# Altium PCB STB_LightBoard.PcbDoc (part 2 of 31)
Units mm, origin at the board's own origin, x right, y up, seen from the top; angles counter-clockwise.
Board outline 348 x 348 mm, 2 copper layers (Top Layer, Bottom Layer), stack 1.672 mm thick; 3807 components, 3391 nets, 11616 pads, 2553 vias.
Unrouted connection lines stored in the file: 68.
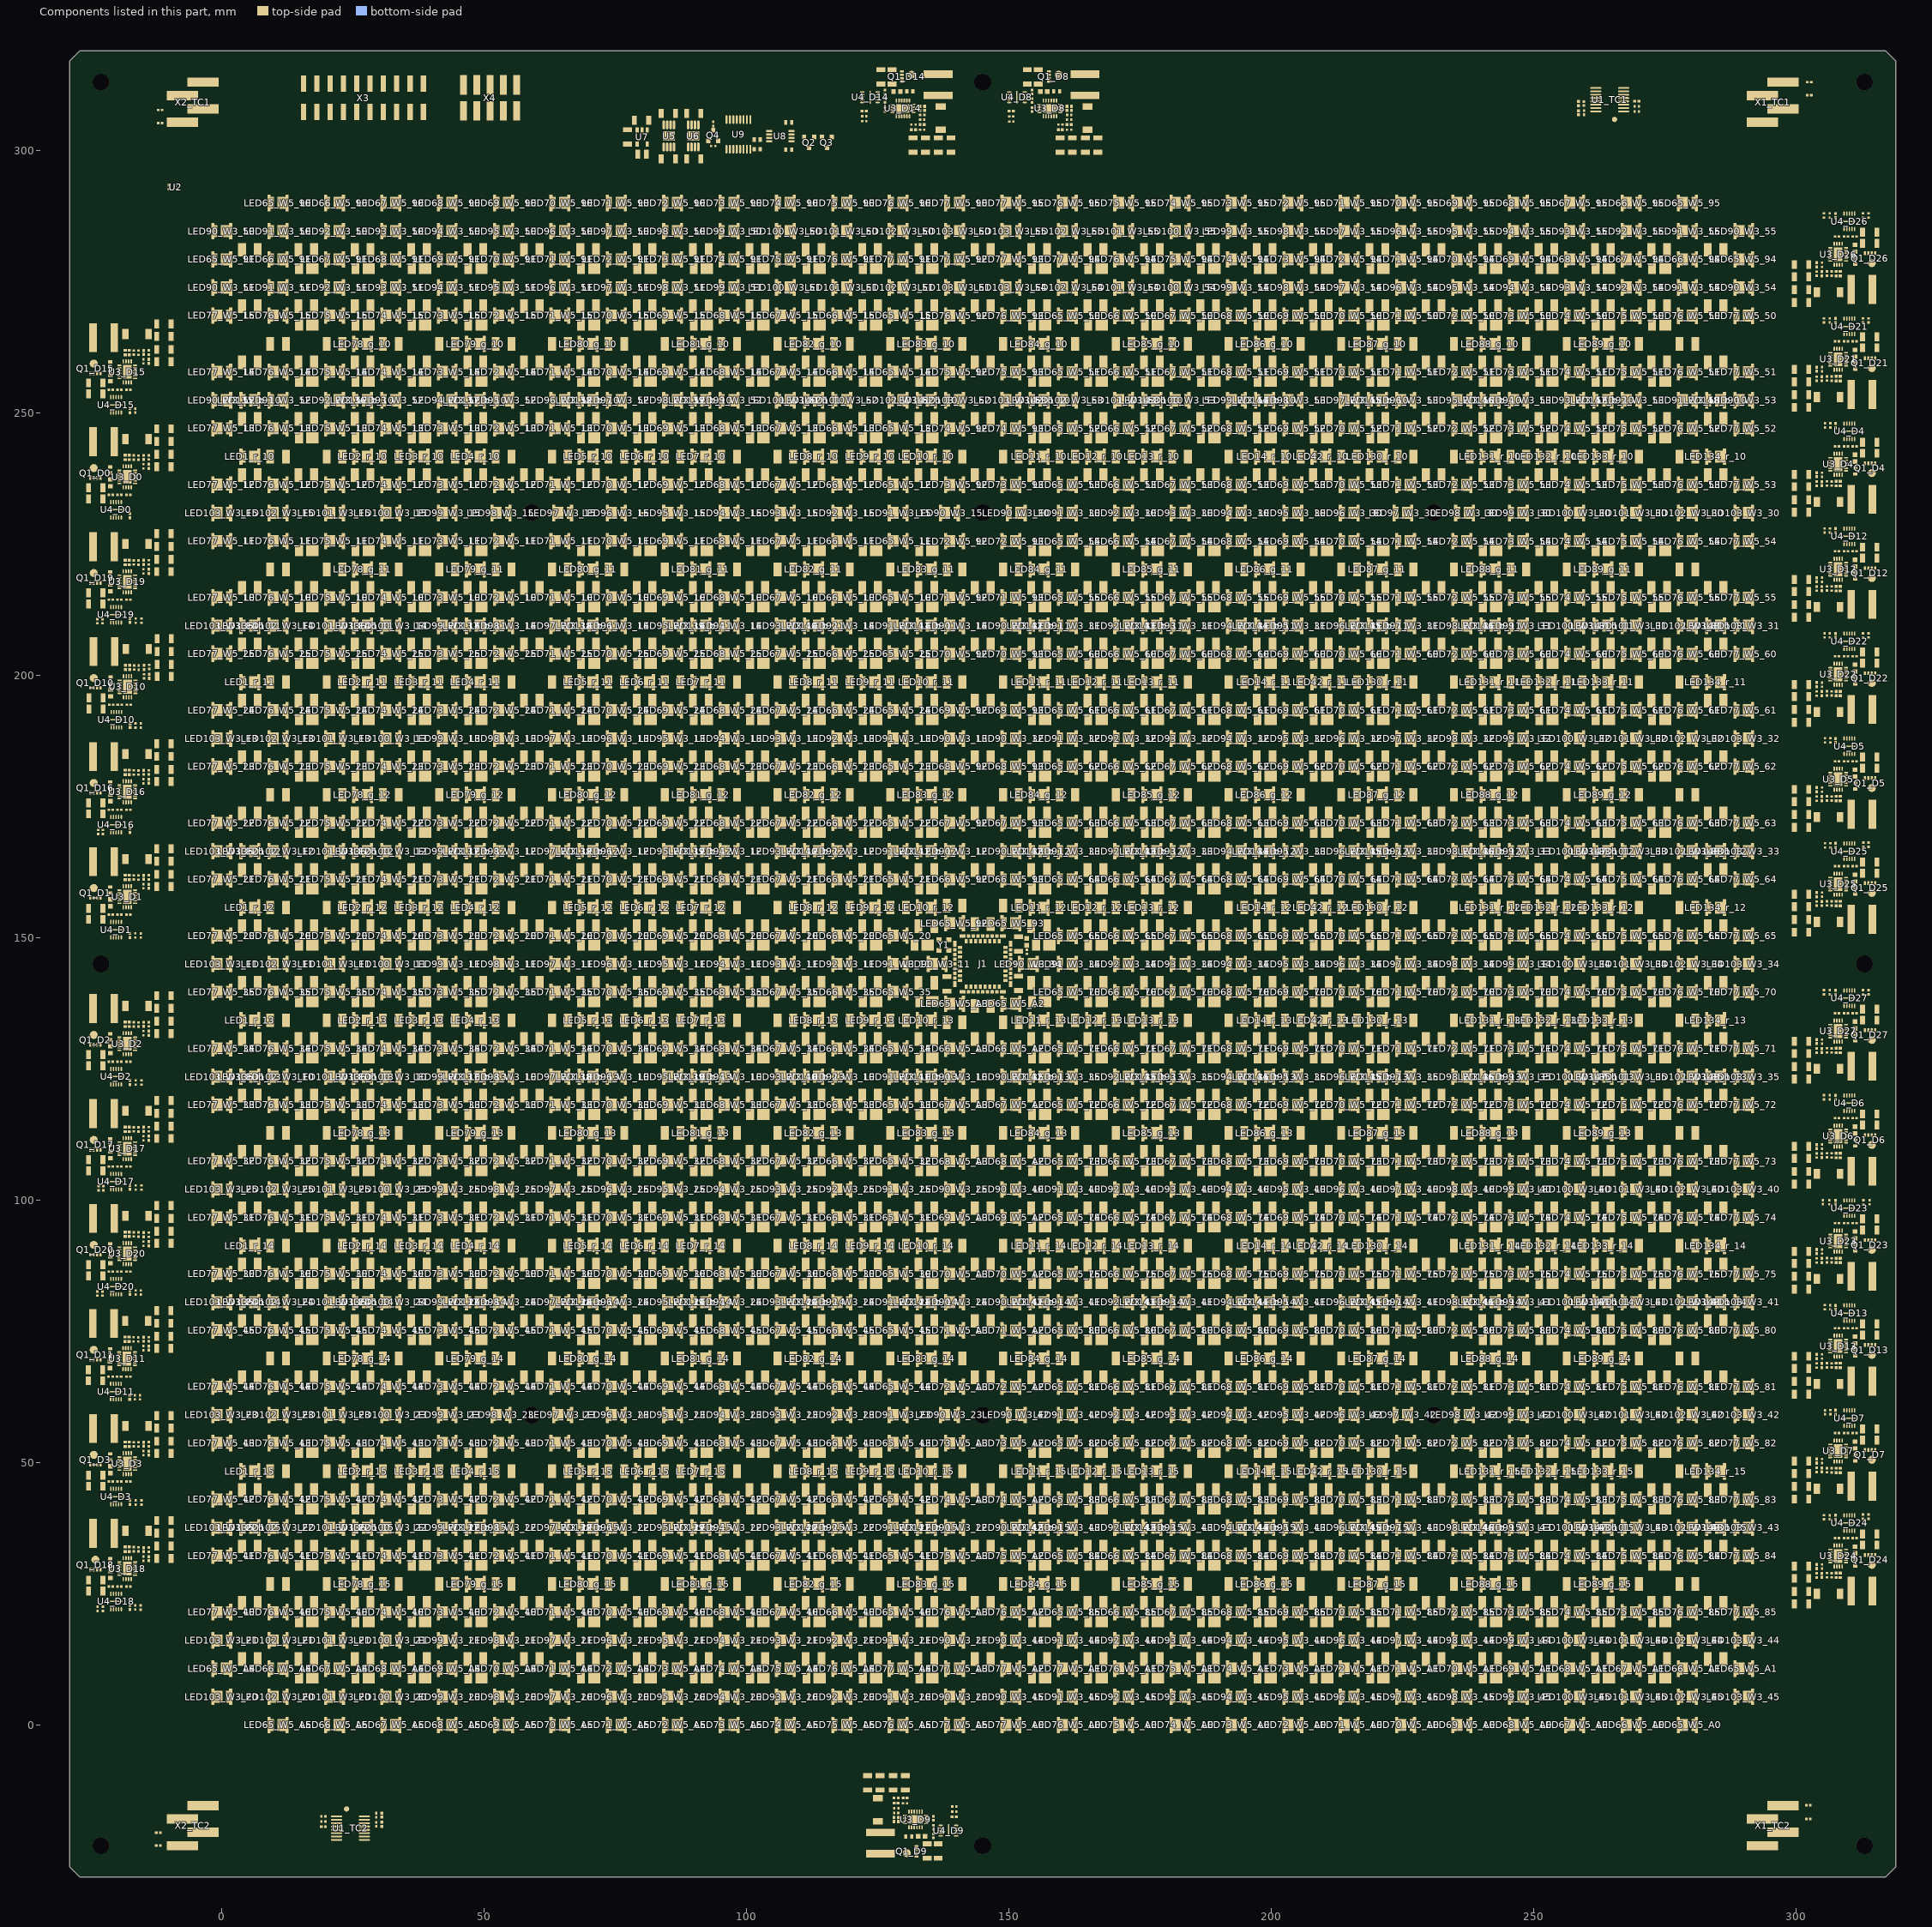
[diagram p2: the components of this part, seen from the top]

## Classes and differential pairs (continued)
net class LED: NetLED1_r_10_1 NetLED1_r_11_1 NetLED1_r_12_1 NetLED1_r_13_1 NetLED1_r_14_1 NetLED1_r_15_1 NetLED2_r_10_1 NetLED2_r_11_1 NetLED2_r_12_1 NetLED2_r_13_1 NetLED2_r_14_1 NetLED2_r_15_1 NetLED3_r_10_1 NetLED3_r_11_1 NetLED3_r_12_1 NetLED3_r_13_1 NetLED3_r_14_1 NetLED3_r_15_1 NetLED4_r_10_1 NetLED4_r_11_1 NetLED4_r_12_1 NetLED4_r_13_1 NetLED4_r_14_1 NetLED4_r_15_1 NetLED5_r_10_1 NetLED5_r_11_1 NetLED5_r_12_1 NetLED5_r_13_1 NetLED5_r_14_1 NetLED5_r_15_1 NetLED6_r_10_1 NetLED6_r_11_1 NetLED6_r_12_1 NetLED6_r_13_1 NetLED6_r_14_1 NetLED6_r_15_1 NetLED7_r_10_1 NetLED7_r_11_1 NetLED7_r_12_1 NetLED7_r_13_1 NetLED7_r_14_1 NetLED7_r_15_1 NetLED8_r_10_1 NetLED8_r_11_1 NetLED8_r_12_1 NetLED8_r_13_1 NetLED8_r_14_1 NetLED8_r_15_1 NetLED9_r_10_1 NetLED9_r_11_1 NetLED9_r_12_1 NetLED9_r_13_1 NetLED9_r_14_1 NetLED9_r_15_1 NetLED10_r_10_1 NetLED10_r_11_1 NetLED10_r_12_1 NetLED10_r_13_1 NetLED10_r_14_1 NetLED10_r_15_1 NetLED11_r_10_1 NetLED11_r_11_1 NetLED11_r_12_1 NetLED11_r_13_1 NetLED11_r_14_1 NetLED11_r_15_1 NetLED12_r_10_1 NetLED12_r_11_1 NetLED12_r_12_1 NetLED12_r_13_1 NetLED12_r_14_1 NetLED12_r_15_1 NetLED13_r_10_1 NetLED13_r_11_1 NetLED13_r_12_1 NetLED13_r_13_1 NetLED13_r_14_1 NetLED13_r_15_1 NetLED14_r_10_1 NetLED14_r_11_1 NetLED14_r_12_1 NetLED14_r_13_1 NetLED14_r_14_1 NetLED14_r_15_1 NetLED15_IR940_10_1 NetLED15_IR940_11_1 NetLED15_IR940_12_1 NetLED15_IR940_13_1 NetLED15_IR940_14_1 NetLED15_IR940_15_1 NetLED15_IR940_20_1 NetLED15_IR940_21_1 NetLED15_IR940_22_1 NetLED15_IR940_23_1 NetLED15_IR940_24_1 NetLED15_IR940_25_1 NetLED15_IR940_30_1 NetLED15_IR940_31_1 NetLED15_IR940_32_1 NetLED15_IR940_33_1 NetLED15_IR940_34_1 NetLED15_IR940_35_1 NetLED15_IR940_40_1 NetLED15_IR940_41_1 NetLED15_IR940_42_1 NetLED15_IR940_43_1 NetLED15_IR940_44_1 NetLED15_IR940_45_1 NetLED16_IR940_10_1 NetLED16_IR940_11_1 NetLED16_IR940_12_1 NetLED16_IR940_13_1 NetLED16_IR940_14_1 NetLED16_IR940_15_1 NetLED16_IR940_20_1 NetLED16_IR940_21_1 NetLED16_IR940_22_1 NetLED16_IR940_23_1 NetLED16_IR940_24_1 NetLED16_IR940_25_1 NetLED16_IR940_30_1 NetLED16_IR940_31_1 NetLED16_IR940_32_1 NetLED16_IR940_33_1 NetLED16_IR940_34_1 NetLED16_IR940_35_1 NetLED16_IR940_40_1 NetLED16_IR940_41_1 NetLED16_IR940_42_1 NetLED16_IR940_43_1 NetLED16_IR940_44_1 NetLED16_IR940_45_1 NetLED17_IR940_10_1 NetLED17_IR940_11_1 NetLED17_IR940_12_1 NetLED17_IR940_13_1 NetLED17_IR940_14_1 NetLED17_IR940_15_1 NetLED17_IR940_20_1 NetLED17_IR940_21_1 NetLED17_IR940_22_1 NetLED17_IR940_23_1 NetLED17_IR940_24_1 NetLED17_IR940_25_1 NetLED17_IR940_30_1 NetLED17_IR940_31_1 NetLED17_IR940_32_1 NetLED17_IR940_33_1 NetLED17_IR940_34_1 NetLED17_IR940_35_1 NetLED17_IR940_40_1 NetLED17_IR940_41_1 NetLED17_IR940_42_1 NetLED17_IR940_43_1 NetLED17_IR940_44_1 NetLED17_IR940_45_1 NetLED18_IR940_10_1 NetLED18_IR940_11_1 NetLED18_IR940_12_1 NetLED18_IR940_13_1 NetLED18_IR940_14_1 NetLED18_IR940_15_1 NetLED18_IR940_20_1 NetLED18_IR940_21_1 NetLED18_IR940_22_1 NetLED18_IR940_23_1 NetLED18_IR940_24_1 NetLED18_IR940_25_1 NetLED18_IR940_30_1 NetLED18_IR940_31_1 NetLED18_IR940_32_1 NetLED18_IR940_33_1 NetLED18_IR940_34_1 NetLED18_IR940_35_1 NetLED18_IR940_40_1 NetLED18_IR940_41_1 NetLED18_IR940_42_1 NetLED18_IR940_43_1 NetLED18_IR940_44_1 NetLED18_IR940_45_1 NetLED19_IR940_10_1 NetLED19_IR940_11_1 NetLED19_IR940_12_1 NetLED19_IR940_13_1 NetLED19_IR940_14_1 NetLED19_IR940_15_1 NetLED19_IR940_20_1 NetLED19_IR940_21_1 NetLED19_IR940_22_1 NetLED19_IR940_23_1 NetLED19_IR940_24_1 NetLED19_IR940_25_1 NetLED19_IR940_30_1 NetLED19_IR940_31_1 NetLED19_IR940_32_1 NetLED19_IR940_33_1 NetLED19_IR940_34_1 NetLED19_IR940_35_1 NetLED19_IR940_40_1 NetLED19_IR940_41_1 NetLED19_IR940_42_1 NetLED19_IR940_43_1 NetLED19_IR940_44_1 NetLED19_IR940_45_1 NetLED20_IR940_10_1 NetLED20_IR940_11_1 NetLED20_IR940_12_1 NetLED20_IR940_13_1 NetLED20_IR940_14_1 NetLED20_IR940_15_1 NetLED20_IR940_20_1 NetLED20_IR940_21_1 NetLED20_IR940_22_1 NetLED20_IR940_23_1 NetLED20_IR940_24_1 NetLED20_IR940_25_1 NetLED20_IR940_30_1 NetLED20_IR940_31_1 NetLED20_IR940_32_1 NetLED20_IR940_33_1 NetLED20_IR940_34_1 NetLED20_IR940_35_1 NetLED20_IR940_40_1 NetLED20_IR940_41_1 NetLED20_IR940_42_1 NetLED20_IR940_43_1 NetLED20_IR940_44_1 NetLED20_IR940_45_1 NetLED21_IR940_10_1 NetLED21_IR940_11_1 NetLED21_IR940_12_1 NetLED21_IR940_13_1 NetLED21_IR940_14_1 NetLED21_IR940_15_1 NetLED21_IR940_20_1 NetLED21_IR940_21_1 NetLED21_IR940_22_1 NetLED21_IR940_23_1 NetLED21_IR940_24_1 NetLED21_IR940_25_1 NetLED21_IR940_30_1 NetLED21_IR940_31_1 NetLED21_IR940_32_1 NetLED21_IR940_33_1 NetLED21_IR940_34_1 NetLED21_IR940_35_1 NetLED21_IR940_40_1 NetLED21_IR940_41_1 NetLED21_IR940_42_1 NetLED21_IR940_43_1 NetLED21_IR940_44_1 NetLED21_IR940_45_1 NetLED22_IR940_10_1 NetLED22_IR940_11_1 NetLED22_IR940_12_1 NetLED22_IR940_13_1 NetLED22_IR940_14_1 NetLED22_IR940_15_1 NetLED22_IR940_20_1 NetLED22_IR940_21_1 NetLED22_IR940_22_1 NetLED22_IR940_23_1 NetLED22_IR940_24_1 NetLED22_IR940_25_1 NetLED22_IR940_30_1 NetLED22_IR940_31_1 NetLED22_IR940_32_1 NetLED22_IR940_33_1 NetLED22_IR940_34_1 NetLED22_IR940_35_1 NetLED22_IR940_40_1 NetLED22_IR940_41_1 NetLED22_IR940_42_1 NetLED22_IR940_43_1 NetLED22_IR940_44_1 NetLED22_IR940_45_1 NetLED23_IR940_10_1 NetLED23_IR940_11_1 NetLED23_IR940_12_1 NetLED23_IR940_13_1 NetLED23_IR940_14_1 NetLED23_IR940_15_1 NetLED23_IR940_20_1 NetLED23_IR940_21_1 NetLED23_IR940_22_1 NetLED23_IR940_23_1 NetLED23_IR940_24_1 NetLED23_IR940_25_1 NetLED23_IR940_30_1 NetLED23_IR940_31_1 NetLED23_IR940_32_1 NetLED23_IR940_33_1 NetLED23_IR940_34_1 NetLED23_IR940_35_1 NetLED23_IR940_40_1 NetLED23_IR940_41_1 NetLED23_IR940_42_1 NetLED23_IR940_43_1 NetLED23_IR940_44_1 NetLED23_IR940_45_1 NetLED24_IR940_10_1 NetLED24_IR940_11_1 NetLED24_IR940_12_1 NetLED24_IR940_13_1 NetLED24_IR940_14_1 NetLED24_IR940_15_1 NetLED24_IR940_20_1 NetLED24_IR940_21_1 NetLED24_IR940_22_1 NetLED24_IR940_23_1 NetLED24_IR940_24_1 NetLED24_IR940_25_1 NetLED24_IR940_30_1 NetLED24_IR940_31_1 NetLED24_IR940_32_1 NetLED24_IR940_33_1 NetLED24_IR940_34_1 NetLED24_IR940_35_1 NetLED24_IR940_40_1 NetLED24_IR940_41_1 NetLED24_IR940_42_1 NetLED24_IR940_43_1 NetLED24_IR940_44_1 NetLED24_IR940_45_1 NetLED25_IR940_10_1 NetLED25_IR940_11_1 NetLED25_IR940_12_1 NetLED25_IR940_13_1 NetLED25_IR940_14_1 NetLED25_IR940_15_1 NetLED25_IR940_20_1 NetLED25_IR940_21_1 NetLED25_IR940_22_1 NetLED25_IR940_23_1 NetLED25_IR940_24_1 NetLED25_IR940_25_1 NetLED25_IR940_30_1 NetLED25_IR940_31_1 NetLED25_IR940_32_1 NetLED25_IR940_33_1 NetLED25_IR940_34_1 NetLED25_IR940_35_1 NetLED25_IR940_40_1 NetLED25_IR940_41_1 NetLED25_IR940_42_1 NetLED25_IR940_43_1 NetLED25_IR940_44_1 NetLED25_IR940_45_1 NetLED26_IR940_10_1 NetLED26_IR940_11_1 NetLED26_IR940_12_1 NetLED26_IR940_13_1 NetLED26_IR940_14_1 NetLED26_IR940_15_1 NetLED26_IR940_20_1 NetLED26_IR940_21_1 NetLED26_IR940_22_1 NetLED26_IR940_23_1 NetLED26_IR940_24_1 NetLED26_IR940_25_1 NetLED26_IR940_30_1 NetLED26_IR940_31_1 NetLED26_IR940_32_1 NetLED26_IR940_33_1 NetLED26_IR940_34_1 NetLED26_IR940_35_1 NetLED26_IR940_40_1 NetLED26_IR940_41_1 NetLED26_IR940_42_1 NetLED26_IR940_43_1 NetLED26_IR940_44_1 NetLED26_IR940_45_1 NetLED27_IR940_10_1 NetLED27_IR940_11_1 NetLED27_IR940_12_1 NetLED27_IR940_13_1 NetLED27_IR940_14_1 NetLED27_IR940_15_1 NetLED27_IR940_20_1 NetLED27_IR940_21_1 NetLED27_IR940_22_1 NetLED27_IR940_23_1 NetLED27_IR940_24_1 NetLED27_IR940_25_1 NetLED27_IR940_30_1 NetLED27_IR940_31_1 NetLED27_IR940_32_1 NetLED27_IR940_33_1 NetLED27_IR940_34_1 NetLED27_IR940_35_1 NetLED27_IR940_40_1 NetLED27_IR940_41_1 NetLED27_IR940_42_1 NetLED27_IR940_43_1 NetLED27_IR940_44_1 NetLED27_IR940_45_1 NetLED28_IR940_10_1 NetLED28_IR940_11_1 NetLED28_IR940_12_1 NetLED28_IR940_13_1 NetLED28_IR940_14_1 NetLED28_IR940_15_1 NetLED28_IR940_20_1 NetLED28_IR940_21_1 NetLED28_IR940_22_1 NetLED28_IR940_23_1 NetLED28_IR940_24_1 NetLED28_IR940_25_1 NetLED28_IR940_30_1 NetLED28_IR940_31_1 NetLED28_IR940_32_1 NetLED28_IR940_33_1 NetLED28_IR940_34_1 NetLED28_IR940_35_1 NetLED28_IR940_40_1 NetLED28_IR940_41_1 NetLED28_IR940_42_1 NetLED28_IR940_43_1 NetLED28_IR940_44_1 NetLED28_IR940_45_1 NetLED29_IR940_10_1 NetLED29_IR940_11_1 NetLED29_IR940_12_1 NetLED29_IR940_13_1 NetLED29_IR940_14_1 NetLED29_IR940_15_1 NetLED29_IR940_20_1 NetLED29_IR940_21_1 NetLED29_IR940_22_1 NetLED29_IR940_23_1 NetLED29_IR940_24_1 NetLED29_IR940_25_1 NetLED29_IR940_30_1 NetLED29_IR940_31_1 NetLED29_IR940_32_1 NetLED29_IR940_33_1 NetLED29_IR940_34_1 NetLED29_IR940_35_1 NetLED29_IR940_40_1 NetLED29_IR940_41_1 NetLED29_IR940_42_1 NetLED29_IR940_43_1 NetLED29_IR940_44_1 NetLED29_IR940_45_1 NetLED30_IR940_10_1 NetLED30_IR940_11_1 NetLED30_IR940_12_1 NetLED30_IR940_13_1 NetLED30_IR940_14_1 NetLED30_IR940_15_1 NetLED30_IR940_20_1 NetLED30_IR940_21_1 NetLED30_IR940_22_1 NetLED30_IR940_23_1 NetLED30_IR940_24_1 NetLED30_IR940_25_1 NetLED30_IR940_30_1 NetLED30_IR940_31_1 NetLED30_IR940_32_1 NetLED30_IR940_33_1 NetLED30_IR940_34_1 NetLED30_IR940_35_1 NetLED30_IR940_40_1 NetLED30_IR940_41_1 NetLED30_IR940_42_1 NetLED30_IR940_43_1 NetLED30_IR940_44_1 NetLED30_IR940_45_1 NetLED31_IR940_10_1 NetLED31_IR940_11_1 NetLED31_IR940_12_1 NetLED31_IR940_13_1 NetLED31_IR940_14_1 NetLED31_IR940_15_1 NetLED31_IR940_20_1 NetLED31_IR940_21_1 NetLED31_IR940_22_1 NetLED31_IR940_23_1 NetLED31_IR940_24_1 NetLED31_IR940_25_1 NetLED31_IR940_30_1 NetLED31_IR940_31_1 NetLED31_IR940_32_1 NetLED31_IR940_33_1 NetLED31_IR940_34_1 NetLED31_IR940_35_1 NetLED31_IR940_40_1 NetLED31_IR940_41_1 NetLED31_IR940_42_1 NetLED31_IR940_43_1 NetLED31_IR940_44_1 NetLED31_IR940_45_1 NetLED32_IR940_10_1 NetLED32_IR940_11_1 NetLED32_IR940_12_1 NetLED32_IR940_13_1 NetLED32_IR940_14_1 NetLED32_IR940_15_1 NetLED32_IR940_20_1 NetLED32_IR940_21_1 NetLED32_IR940_22_1 NetLED32_IR940_23_1 NetLED32_IR940_24_1 NetLED32_IR940_25_1 NetLED32_IR940_30_1 NetLED32_IR940_31_1 NetLED32_IR940_32_1 NetLED32_IR940_33_1 NetLED32_IR940_34_1 NetLED32_IR940_35_1 NetLED32_IR940_40_1 NetLED32_IR940_41_1 NetLED32_IR940_42_1 NetLED32_IR940_43_1 NetLED32_IR940_44_1 NetLED32_IR940_45_1 NetLED33_IR940_10_1 NetLED33_IR940_11_1 NetLED33_IR940_12_1 NetLED33_IR940_13_1 NetLED33_IR940_14_1 NetLED33_IR940_15_1 NetLED33_IR940_20_1 NetLED33_IR940_21_1 NetLED33_IR940_22_1 NetLED33_IR940_23_1 NetLED33_IR940_24_1 NetLED33_IR940_25_1 NetLED33_IR940_30_1 NetLED33_IR940_31_1 NetLED33_IR940_32_1 NetLED33_IR940_33_1 NetLED33_IR940_34_1 NetLED33_IR940_35_1 NetLED33_IR940_40_1 NetLED33_IR940_41_1 NetLED33_IR940_42_1 NetLED33_IR940_43_1 NetLED33_IR940_44_1 NetLED33_IR940_45_1 NetLED34_IR940_10_1 NetLED34_IR940_11_1 NetLED34_IR940_12_1 NetLED34_IR940_13_1 NetLED34_IR940_14_1 NetLED34_IR940_15_1 NetLED34_IR940_20_1 NetLED34_IR940_21_1 NetLED34_IR940_22_1 NetLED34_IR940_23_1 NetLED34_IR940_24_1 NetLED34_IR940_25_1 NetLED34_IR940_30_1 NetLED34_IR940_31_1 NetLED34_IR940_32_1 NetLED34_IR940_33_1 NetLED34_IR940_34_1 NetLED34_IR940_35_1 NetLED34_IR940_40_1 NetLED34_IR940_41_1 NetLED34_IR940_42_1 NetLED34_IR940_43_1 NetLED34_IR940_44_1 NetLED34_IR940_45_1 NetLED35_IR940_10_1 NetLED35_IR940_11_1 NetLED35_IR940_12_1 NetLED35_IR940_13_1 NetLED35_IR940_14_1 NetLED35_IR940_15_1 NetLED35_IR940_20_1 NetLED35_IR940_21_1 NetLED35_IR940_22_1 NetLED35_IR940_23_1 NetLED35_IR940_24_1 NetLED35_IR940_25_1 NetLED35_IR940_30_1 NetLED35_IR940_31_1 NetLED35_IR940_32_1 NetLED35_IR940_33_1 NetLED35_IR940_34_1 NetLED35_IR940_35_1 NetLED35_IR940_40_1 NetLED35_IR940_41_1 NetLED35_IR940_42_1 NetLED35_IR940_43_1 NetLED35_IR940_44_1 NetLED35_IR940_45_1 NetLED36_IR940_10_1 NetLED36_IR940_11_1 NetLED36_IR940_12_1 NetLED36_IR940_13_1 NetLED36_IR940_14_1 NetLED36_IR940_15_1 NetLED36_IR940_20_1 NetLED36_IR940_21_1 NetLED36_IR940_22_1 NetLED36_IR940_23_1 NetLED36_IR940_24_1 NetLED36_IR940_25_1 NetLED36_IR940_30_1 NetLED36_IR940_31_1 NetLED36_IR940_32_1 NetLED36_IR940_33_1 NetLED36_IR940_34_1 NetLED36_IR940_35_1 NetLED36_IR940_40_1 NetLED36_IR940_41_1 NetLED36_IR940_42_1 NetLED36_IR940_43_1 NetLED36_IR940_44_1 NetLED36_IR940_45_1 NetLED37_IR940_10_1 NetLED37_IR940_11_1 NetLED37_IR940_12_1 NetLED37_IR940_13_1 NetLED37_IR940_14_1 NetLED37_IR940_15_1 NetLED37_IR940_20_1 NetLED37_IR940_21_1 NetLED37_IR940_22_1 NetLED37_IR940_23_1 NetLED37_IR940_24_1 NetLED37_IR940_25_1 NetLED37_IR940_30_1 NetLED37_IR940_31_1 NetLED37_IR940_32_1 NetLED37_IR940_33_1 NetLED37_IR940_34_1 NetLED37_IR940_35_1 NetLED37_IR940_40_1 NetLED37_IR940_41_1 NetLED37_IR940_42_1 NetLED37_IR940_43_1 NetLED37_IR940_44_1 NetLED37_IR940_45_1 NetLED38_IR940_10_1 NetLED38_IR940_11_1 NetLED38_IR940_12_1 NetLED38_IR940_13_1 NetLED38_IR940_14_1 NetLED38_IR940_15_1 NetLED38_IR940_20_1 NetLED38_IR940_21_1 NetLED38_IR940_22_1 NetLED38_IR940_23_1 NetLED38_IR940_24_1 NetLED38_IR940_25_1 NetLED38_IR940_30_1 NetLED38_IR940_31_1 NetLED38_IR940_32_1 NetLED38_IR940_33_1 NetLED38_IR940_34_1 NetLED38_IR940_35_1 NetLED38_IR940_40_1 NetLED38_IR940_41_1 NetLED38_IR940_42_1 NetLED38_IR940_43_1 NetLED38_IR940_44_1 NetLED38_IR940_45_1 NetLED39_IR940_10_1 NetLED39_IR940_11_1 NetLED39_IR940_12_1 NetLED39_IR940_13_1 NetLED39_IR940_14_1 NetLED39_IR940_15_1 NetLED39_IR940_20_1 NetLED39_IR940_21_1 NetLED39_IR940_22_1 NetLED39_IR940_23_1 NetLED39_IR940_24_1 NetLED39_IR940_25_1 NetLED39_IR940_30_1 NetLED39_IR940_31_1 NetLED39_IR940_32_1 NetLED39_IR940_33_1 NetLED39_IR940_34_1 NetLED39_IR940_35_1 NetLED39_IR940_40_1 NetLED39_IR940_41_1 NetLED39_IR940_42_1 NetLED39_IR940_43_1 NetLED39_IR940_44_1 NetLED39_IR940_45_1 NetLED40_IR940_10_1 NetLED40_IR940_11_1 NetLED40_IR940_12_1 NetLED40_IR940_13_1 NetLED40_IR940_14_1 NetLED40_IR940_15_1 NetLED40_IR940_20_1 NetLED40_IR940_21_1 NetLED40_IR940_22_1 NetLED40_IR940_23_1 NetLED40_IR940_24_1 NetLED40_IR940_25_1 NetLED40_IR940_30_1 NetLED40_IR940_31_1 NetLED40_IR940_32_1 NetLED40_IR940_33_1 NetLED40_IR940_34_1 NetLED40_IR940_35_1 NetLED40_IR940_40_1 NetLED40_IR940_41_1 NetLED40_IR940_42_1 NetLED40_IR940_43_1 NetLED40_IR940_44_1 NetLED40_IR940_45_1 NetLED42_r_10_1 NetLED42_r_11_1 NetLED42_r_12_1 NetLED42_r_13_1 NetLED42_r_14_1 NetLED42_r_15_1 NetLED43_IR740_10_1 NetLED43_IR740_11_1 NetLED43_IR740_12_1 NetLED43_IR740_13_1 NetLED43_IR740_14_1 NetLED43_IR740_15_1 NetLED43_IR740_20_1 NetLED43_IR740_21_1 NetLED43_IR740_22_1 NetLED43_IR740_23_1 NetLED43_IR740_24_1 NetLED43_IR740_25_1 NetLED43_IR740_30_1 NetLED43_IR740_31_1 NetLED43_IR740_32_1 NetLED43_IR740_33_1 NetLED43_IR740_34_1 NetLED43_IR740_35_1 NetLED43_IR740_40_1 NetLED43_IR740_41_1 NetLED43_IR740_42_1 NetLED43_IR740_43_1 NetLED43_IR740_44_1 NetLED43_IR740_45_1 NetLED44_IR740_10_1 NetLED44_IR740_11_1 NetLED44_IR740_12_1 NetLED44_IR740_13_1 NetLED44_IR740_14_1 NetLED44_IR740_15_1 NetLED44_IR740_20_1 NetLED44_IR740_21_1 NetLED44_IR740_22_1 NetLED44_IR740_23_1 NetLED44_IR740_24_1 NetLED44_IR740_25_1 NetLED44_IR740_30_1 NetLED44_IR740_31_1 NetLED44_IR740_32_1 NetLED44_IR740_33_1 NetLED44_IR740_34_1 NetLED44_IR740_35_1 NetLED44_IR740_40_1 NetLED44_IR740_41_1 NetLED44_IR740_42_1 NetLED44_IR740_43_1 NetLED44_IR740_44_1 NetLED44_IR740_45_1 NetLED45_IR740_10_1 NetLED45_IR740_11_1 NetLED45_IR740_12_1 NetLED45_IR740_13_1 NetLED45_IR740_14_1 NetLED45_IR740_15_1 NetLED45_IR740_20_1 NetLED45_IR740_21_1 NetLED45_IR740_22_1 NetLED45_IR740_23_1 NetLED45_IR740_24_1 NetLED45_IR740_25_1 NetLED45_IR740_30_1 NetLED45_IR740_31_1 NetLED45_IR740_32_1 NetLED45_IR740_33_1 NetLED45_IR740_34_1 NetLED45_IR740_35_1 NetLED45_IR740_40_1 NetLED45_IR740_41_1 NetLED45_IR740_42_1 NetLED45_IR740_43_1 NetLED45_IR740_44_1 NetLED45_IR740_45_1 NetLED46_IR740_10_1 NetLED46_IR740_11_1 NetLED46_IR740_12_1 NetLED46_IR740_13_1 NetLED46_IR740_14_1 NetLED46_IR740_15_1 NetLED46_IR740_20_1 NetLED46_IR740_21_1 NetLED46_IR740_22_1 NetLED46_IR740_23_1 NetLED46_IR740_24_1 NetLED46_IR740_25_1 NetLED46_IR740_30_1 NetLED46_IR740_31_1 NetLED46_IR740_32_1 NetLED46_IR740_33_1 NetLED46_IR740_34_1 NetLED46_IR740_35_1 NetLED46_IR740_40_1 NetLED46_IR740_41_1 NetLED46_IR740_42_1 NetLED46_IR740_43_1 NetLED46_IR740_44_1 NetLED46_IR740_45_1 NetLED47_IR740_10_1 NetLED47_IR740_11_1 NetLED47_IR740_12_1 NetLED47_IR740_13_1 NetLED47_IR740_14_1 NetLED47_IR740_15_1 NetLED47_IR740_20_1 NetLED47_IR740_21_1 NetLED47_IR740_22_1 NetLED47_IR740_23_1 NetLED47_IR740_24_1 NetLED47_IR740_25_1 NetLED47_IR740_30_1 NetLED47_IR740_31_1 NetLED47_IR740_32_1 NetLED47_IR740_33_1 NetLED47_IR740_34_1 NetLED47_IR740_35_1 NetLED47_IR740_40_1 NetLED47_IR740_41_1 NetLED47_IR740_42_1 NetLED47_IR740_43_1 NetLED47_IR740_44_1 NetLED47_IR740_45_1 NetLED48_IR740_10_1 NetLED48_IR740_11_1 NetLED48_IR740_12_1 NetLED48_IR740_13_1 NetLED48_IR740_14_1 NetLED48_IR740_15_1 NetLED48_IR740_20_1 NetLED48_IR740_21_1 NetLED48_IR740_22_1 NetLED48_IR740_23_1 NetLED48_IR740_24_1 NetLED48_IR740_25_1 NetLED48_IR740_30_1 NetLED48_IR740_31_1 NetLED48_IR740_32_1 NetLED48_IR740_33_1 NetLED48_IR740_34_1 NetLED48_IR740_35_1 NetLED48_IR740_40_1 NetLED48_IR740_41_1 NetLED48_IR740_42_1 NetLED48_IR740_43_1 NetLED48_IR740_44_1 NetLED48_IR740_45_1 NetLED49_IR740_10_1 NetLED49_IR740_11_1 NetLED49_IR740_12_1 NetLED49_IR740_13_1 NetLED49_IR740_14_1 NetLED49_IR740_15_1 NetLED49_IR740_20_1 NetLED49_IR740_21_1 NetLED49_IR740_22_1 NetLED49_IR740_23_1 NetLED49_IR740_24_1 NetLED49_IR740_25_1 NetLED49_IR740_30_1 NetLED49_IR740_31_1 NetLED49_IR740_32_1 NetLED49_IR740_33_1 NetLED49_IR740_34_1 NetLED49_IR740_35_1 NetLED49_IR740_40_1 NetLED49_IR740_41_1 NetLED49_IR740_42_1 NetLED49_IR740_43_1 NetLED49_IR740_44_1 NetLED49_IR740_45_1 NetLED50_IR740_10_1 NetLED50_IR740_11_1 NetLED50_IR740_12_1 NetLED50_IR740_13_1 NetLED50_IR740_14_1 NetLED50_IR740_15_1 NetLED50_IR740_20_1 NetLED50_IR740_21_1 NetLED50_IR740_22_1 NetLED50_IR740_23_1 NetLED50_IR740_24_1 NetLED50_IR740_25_1 NetLED50_IR740_30_1 NetLED50_IR740_31_1 NetLED50_IR740_32_1 NetLED50_IR740_33_1 NetLED50_IR740_34_1 NetLED50_IR740_35_1 NetLED50_IR740_40_1 NetLED50_IR740_41_1 NetLED50_IR740_42_1 NetLED50_IR740_43_1 NetLED50_IR740_44_1 NetLED50_IR740_45_1 NetLED51_IR740_10_1 NetLED51_IR740_11_1 NetLED51_IR740_12_1 NetLED51_IR740_13_1 NetLED51_IR740_14_1 NetLED51_IR740_15_1 NetLED51_IR740_20_1 NetLED51_IR740_21_1 NetLED51_IR740_22_1 NetLED51_IR740_23_1 NetLED51_IR740_24_1 NetLED51_IR740_25_1 NetLED51_IR740_30_1 NetLED51_IR740_31_1 NetLED51_IR740_32_1 NetLED51_IR740_33_1 NetLED51_IR740_34_1 NetLED51_IR740_35_1 NetLED51_IR740_40_1 NetLED51_IR740_41_1 NetLED51_IR740_42_1 NetLED51_IR740_43_1 NetLED51_IR740_44_1 NetLED51_IR740_45_1 NetLED52_IR740_10_1 NetLED52_IR740_11_1 NetLED52_IR740_12_1 NetLED52_IR740_13_1 NetLED52_IR740_14_1 NetLED52_IR740_15_1 NetLED52_IR740_20_1 NetLED52_IR740_21_1 NetLED52_IR740_22_1 NetLED52_IR740_23_1 NetLED52_IR740_24_1 NetLED52_IR740_25_1 NetLED52_IR740_30_1 NetLED52_IR740_31_1 NetLED52_IR740_32_1 NetLED52_IR740_33_1 NetLED52_IR740_34_1 NetLED52_IR740_35_1 NetLED52_IR740_40_1 NetLED52_IR740_41_1 NetLED52_IR740_42_1 NetLED52_IR740_43_1 NetLED52_IR740_44_1 NetLED52_IR740_45_1 NetLED53_IR740_10_1 NetLED53_IR740_11_1 NetLED53_IR740_12_1 NetLED53_IR740_13_1 NetLED53_IR740_14_1 NetLED53_IR740_15_1 NetLED53_IR740_20_1 NetLED53_IR740_21_1 NetLED53_IR740_22_1 NetLED53_IR740_23_1 NetLED53_IR740_24_1 NetLED53_IR740_25_1 NetLED53_IR740_30_1 NetLED53_IR740_31_1 NetLED53_IR740_32_1 NetLED53_IR740_33_1 NetLED53_IR740_34_1 NetLED53_IR740_35_1 NetLED53_IR740_40_1 NetLED53_IR740_41_1 NetLED53_IR740_42_1 NetLED53_IR740_43_1 NetLED53_IR740_44_1 NetLED53_IR740_45_1 NetLED54_IR740_10_1 NetLED54_IR740_11_1 NetLED54_IR740_12_1 NetLED54_IR740_13_1 NetLED54_IR740_14_1 NetLED54_IR740_15_1 NetLED54_IR740_20_1 NetLED54_IR740_21_1 NetLED54_IR740_22_1 NetLED54_IR740_23_1 NetLED54_IR740_24_1 NetLED54_IR740_25_1 NetLED54_IR740_30_1 NetLED54_IR740_31_1 NetLED54_IR740_32_1 NetLED54_IR740_33_1 NetLED54_IR740_34_1 NetLED54_IR740_35_1 NetLED54_IR740_40_1 NetLED54_IR740_41_1 NetLED54_IR740_42_1 NetLED54_IR740_43_1 NetLED54_IR740_44_1 NetLED54_IR740_45_1 NetLED55_IR740_10_1 NetLED55_IR740_11_1 NetLED55_IR740_12_1 NetLED55_IR740_13_1 NetLED55_IR740_14_1 NetLED55_IR740_15_1 NetLED55_IR740_20_1 NetLED55_IR740_21_1 NetLED55_IR740_22_1 NetLED55_IR740_23_1 NetLED55_IR740_24_1 NetLED55_IR740_25_1 NetLED55_IR740_30_1 NetLED55_IR740_31_1 NetLED55_IR740_32_1 NetLED55_IR740_33_1 NetLED55_IR740_34_1 NetLED55_IR740_35_1